# Altium PCB Nestling_2.1Allx2.PcbDoc (part 2 of 2)
Units mm, origin at the board's own origin, x right, y up, seen from the top; angles counter-clockwise.
Board outline 92 x 75 mm, 2 copper layers (Top Layer, Bottom Layer); 108 components, 122 nets, 852 pads, 224 vias.
Unrouted connection lines stored in the file: 122.
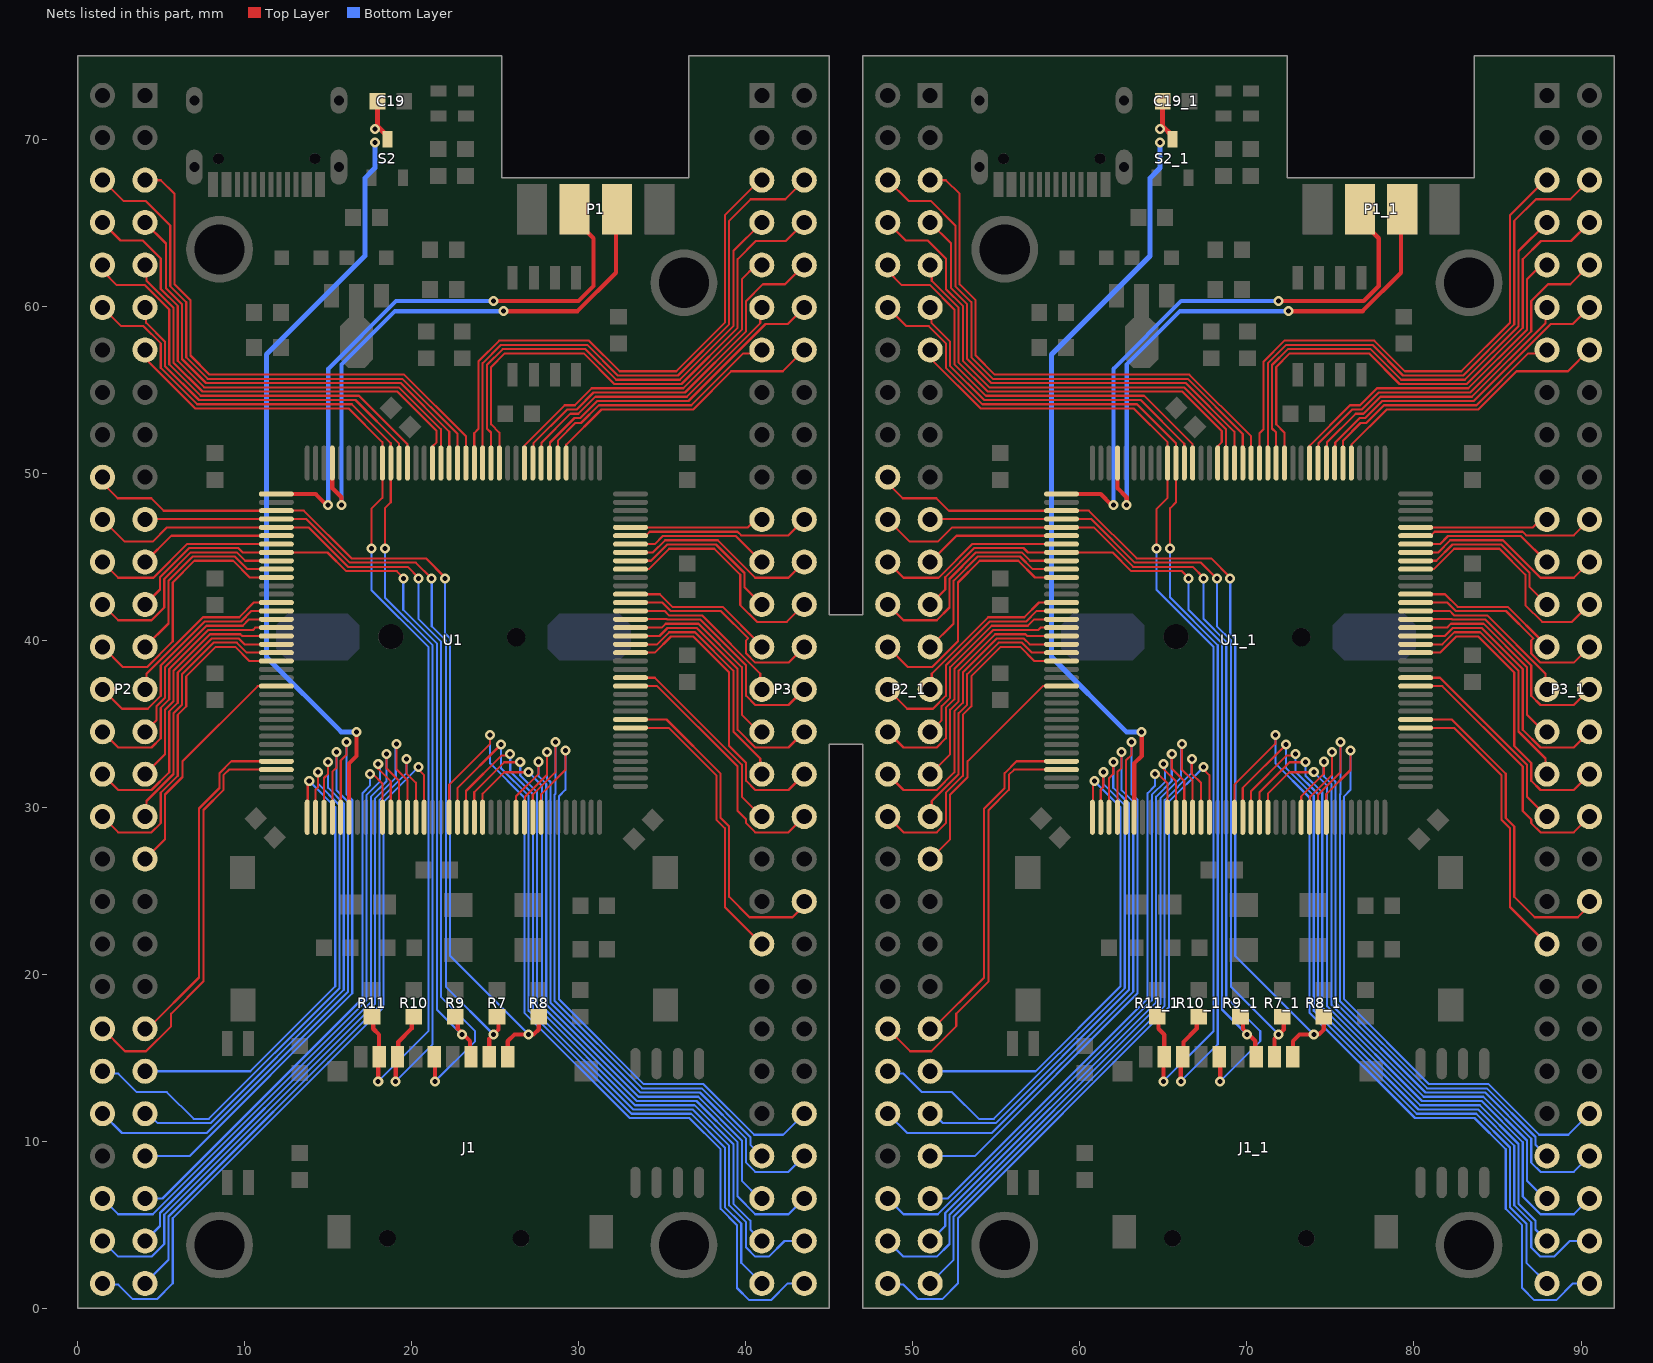
[diagram p2: the nets of this part, all layers, seen from the top]

## Via types
v1: diameter 0.6, hole 0.3, Top Layer to Bottom Layer, 224 vias

## Nets (pads, with @x,y where several pads share a name; then routed paths per layer and width w, separated by ;. In a path a pad name is that pad's centre, name@x,y a point inside that pad or via, vN(x,y) a via of type N, cw(c..) or ccw(c..) an arc to the next point about the centre after c; other vN are vias at no path point) (continued)
PC0: P3.53 P3_1.53 U1.26 U1_1.26 | length 75.5
  Top Layer w0.127: U1.26@26.25,29.405 26.25,30.656 27.6,32.006 v1(27.6,32.726) ; U1_1.26@73.25,29.405 73.25,30.656 74.6,32.006 v1(74.6,32.726)
  Bottom Layer w0.127: v1(27.6,32.726) 27.6,31.859 28.054,31.405 28.054,18.199 33.583,12.67 37.152,12.67 39.765,10.057 39.765,7.635 40.82,6.58 P3.53@40.96,6.58 ; v1(74.6,32.726) 74.6,31.859 75.054,31.405 75.054,18.199 80.583,12.67 84.152,12.67 86.766,10.057 86.766,7.635 87.82,6.58 P3_1.53@87.96,6.58
PC1: P3.52 P3_1.52 U1.27 U1_1.27 | length 80.3
  Top Layer w0.127: U1.27@26.75,29.405 26.783,29.438 26.783,30.64 28.1,31.957 v1(28.1,33.3) ; U1_1.27@73.75,29.405 73.783,29.438 73.783,30.64 75.1,31.957 v1(75.1,33.3)
  Bottom Layer w0.127: v1(28.1,33.3) 28.1,31.718 28.308,31.51 28.308,18.304 33.688,12.924 37.258,12.924 40.019,10.162 40.019,8.73 40.57,8.179 42.559,8.179 P3.52@43.5,9.12 ; v1(75.1,33.3) 75.1,31.718 75.308,31.51 75.308,18.304 80.688,12.924 84.258,12.924 87.02,10.162 87.02,8.73 87.57,8.179 89.56,8.179 P3_1.52@90.5,9.12
PC2: P3.51 P3_1.51 U1.28 U1_1.28 | length 74.2
  Top Layer w0.127: U1.28@27.25,29.405 27.25,30.748 28.6,32.098 v1(28.6,33.9) ; U1_1.28@74.25,29.405 74.25,30.748 75.6,32.098 v1(75.6,33.9)
  Bottom Layer w0.127: v1(28.6,33.9) 28.6,30.8 28.562,30.762 28.562,18.409 33.793,13.178 37.363,13.178 40.273,10.267 40.273,9.807 P3.51@40.96,9.12 ; v1(75.6,33.9) 75.6,30.8 75.562,30.762 75.562,18.409 80.793,13.178 84.363,13.178 87.274,10.267 87.274,9.807 P3_1.51@87.96,9.12
PC3: P3.50 P3_1.50 U1.29 U1_1.29 | length 76.4
  Top Layer w0.127: U1.29@27.75,29.405 27.75,30.779 29.2,32.229 v1(29.2,33.4) ; U1_1.29@74.75,29.405 74.75,30.779 76.2,32.229 v1(76.2,33.4)
  Bottom Layer w0.127: v1(29.2,33.4) 29.2,31.04 28.816,30.656 28.816,18.514 33.898,13.432 37.468,13.432 40.5,10.4 42.24,10.4 P3.50@43.5,11.66 ; v1(76.2,33.4) 76.2,31.04 75.816,30.656 75.816,18.514 80.898,13.432 84.468,13.432 87.5,10.4 89.24,10.4 P3_1.50@90.5,11.66
PC4: P3.41 P3_1.41 U1.44 U1_1.44 | length 35.1
  Top Layer w0.127: U1.44@33.1,34.755 35.399,34.755 38.241,31.912 38.241,29.255 38.749,28.747 38.749,24.031 P3.41@40.96,21.82 ; U1_1.44@80.1,34.755 82.399,34.755 85.242,31.912 85.242,29.255 85.75,28.747 85.75,24.031 P3_1.41@87.96,21.82
PC5: P3.40 P3_1.40 U1.45 U1_1.45 | length 39.7
  Top Layer w0.127: U1.45@33.1,35.255 35.258,35.255 38.495,32.017 38.495,29.36 39.003,28.852 39.003,24.642 40.225,23.419 42.8,23.419 43.5,24.119 P3.40@43.5,24.36 ; U1_1.45@80.1,35.255 82.258,35.255 85.496,32.017 85.496,29.36 86.004,28.852 86.004,24.642 87.226,23.419 89.8,23.419 90.5,24.119 P3_1.40@90.5,24.36
PC6: P2.10 P2_1.10 U1.96 U1_1.96 | length 51.9
  Top Layer w0.127: P2.10@1.5,62.46 1.5,62.1 2.347,61.253 4.037,61.253 5.489,59.802 5.489,56.515 7.372,54.632 16.848,54.632 19.75,51.73 U1.96@19.75,50.605 ; P2_1.10@48.5,62.46 48.5,62.1 49.347,61.253 51.037,61.253 52.489,59.802 52.489,56.515 54.372,54.632 63.848,54.632 66.75,51.73 U1_1.96@66.75,50.605
PC7: P2.11 P2_1.11 U1.97 U1_1.97 | length 42.5
  Top Layer w0.127: P2.11@4.04,59.92 4.176,59.92 4.176,59.684 4.109,59.617 4.109,59.001 5.235,57.875 5.235,56.41 7.267,54.378 16.642,54.378 19.25,51.77 U1.97@19.25,50.605 ; P2_1.11@51.04,59.92 51.176,59.92 51.176,59.684 51.109,59.617 51.109,59.001 52.235,57.875 52.235,56.41 54.267,54.378 63.642,54.378 66.25,51.77 U1_1.97@66.25,50.605
PC8: J1.7 J1_1.7 P2.12 P2_1.12 R10.2 R10_1.2 U1.98 U1_1.98 | length 132.4
  Top Layer w0.127: P2.12@1.5,59.92 2.62,58.8 3.95,58.8 4.981,57.77 4.981,56.305 7.162,54.124 16.422,54.124 18.75,51.796 U1.98@18.75,50.605 18.75,48.25 18.4,47.9 v1(18.4,45.5) ; J1.7@19.044,14.959 J1.7@19.15,15.065 ; P2_1.12@48.5,59.92 49.62,58.8 50.95,58.8 51.981,57.77 51.981,56.305 54.162,54.124 63.422,54.124 65.75,51.796 U1_1.98@65.75,50.605 65.75,48.25 65.4,47.9 v1(65.4,45.5) ; J1_1.7@66.044,14.959 J1_1.7@66.15,15.065
  Top Layer w0.254: v1(19.044,13.6) J1.7@19.044,14.959 ; J1.7@19.15,15.065 19.2,15.115 19.2,15.954 20,16.754 20,17.342 R10.2@20.121,17.463 ; v1(66.044,13.6) J1_1.7@66.044,14.959 ; J1_1.7@66.15,15.065 66.2,15.115 66.2,15.954 67,16.754 67,17.342 R10_1.2@67.121,17.463
  Bottom Layer w0.127: v1(18.4,45.5) 18.4,42.559 21.254,39.705 21.254,15.81 v1(19.044,13.6) ; v1(65.4,45.5) 65.4,42.559 68.254,39.705 68.254,15.81 v1(66.044,13.6)
PC9: J1.8 J1_1.8 P2.13 P2_1.13 R11.2 R11_1.2 U1.99 U1_1.99 | length 124.3
  Top Layer w0.127: P2.13@4.04,57.38 4.219,57.38 4.219,56.708 7.056,53.87 16.23,53.87 18.25,51.85 U1.99@18.25,50.605 18.25,48.524 17.592,47.866 v1(17.592,45.5) ; J1.8@18,15.015 J1.8@18.05,15.065 ; P2_1.13@51.04,57.38 51.219,57.38 51.219,56.708 54.056,53.87 63.23,53.87 65.25,51.85 U1_1.99@65.25,50.605 65.25,48.524 64.592,47.866 v1(64.592,45.5) ; J1_1.8@65,15.015 J1_1.8@65.05,15.065
  Top Layer w0.254: R11.2@17.626,17.463 17.7,17.389 17.7,16.74 18.05,16.39 J1.8@18.05,15.065 ; v1(18,13.6) J1.8@18,15.015 ; R11_1.2@64.626,17.463 64.7,17.389 64.7,16.74 65.05,16.39 J1_1.8@65.05,15.065 ; v1(65,13.6) J1_1.8@65,15.015
  Bottom Layer w0.127: v1(17.592,45.5) 17.592,43.008 21,39.6 21,16.6 v1(18,13.6) ; v1(64.592,45.5) 64.592,43.008 68,39.6 68,16.6 v1(65,13.6)
PC10: J1.1 J1_1.1 P2.20 P2_1.20 R8.2 R8_1.2 U1.111 U1_1.111 | length 113
  Top Layer w0.127: P2.20@1.5,49.76 1.5,49.4 2.4,48.5 4.412,48.5 5.158,47.754 11.76,47.754 11.768,47.746 11.891,47.746 U1.111@11.9,47.755 13.541,47.755 16.396,44.9 20.855,44.9 v1@22,43.755 ; J1.1@25.75,15.065 J1.1@25.8,15.015 ; P2_1.20@48.5,49.76 48.5,49.4 49.4,48.5 51.412,48.5 52.158,47.754 58.76,47.754 58.768,47.746 58.891,47.746 U1_1.111@58.9,47.755 60.541,47.755 63.396,44.9 67.855,44.9 v1@69,43.755 ; J1_1.1@72.75,15.065 J1_1.1@72.8,15.015
  Top Layer w0.254: J1.1@25.75,15.065 25.75,16 26.15,16.4 v1(27,16.4) 27.3,16.4 27.605,16.705 R8.2@27.605,17.463 ; J1_1.1@72.75,15.065 72.75,16 73.15,16.4 v1(74,16.4) 74.3,16.4 74.605,16.705 R8_1.2@74.605,17.463
  Bottom Layer w0.127: v1(22,43.7) 22,40.4 22.3,40.1 22.3,21.1 v1(27,16.4) ; v1(69,43.7) 69,40.4 69.3,40.1 69.3,21.1 v1(74,16.4)
PC11: J1.2 J1_1.2 P2.21 P2_1.21 R7.2 R7_1.2 U1.112 U1_1.112 | length 100.4
  Top Layer w0.127: P2.21@4.04,47.22 4.075,47.255 U1.112@11.9,47.255 13.682,47.255 16.291,44.646 20.254,44.646 v1(21.2,43.7) ; J1.2@24.6,15.015 J1.2@24.65,15.065 ; P2_1.21@51.04,47.22 51.075,47.255 U1_1.112@58.9,47.255 60.682,47.255 63.291,44.646 67.254,44.646 v1(68.2,43.7) ; J1_1.2@71.6,15.015 J1_1.2@71.65,15.065
  Top Layer w0.254: J1.2@24.65,15.065 24.65,16.15 25.2,16.7 25.2,17.373 R7.2@25.11,17.463 ; J1_1.2@71.65,15.065 71.65,16.15 72.2,16.7 72.2,17.373 R7_1.2@72.11,17.463
  Bottom Layer w0.127: v1(21.2,43.7) 21.2,40.841 22.046,39.995 22.046,19.254 v1(24.9,16.4) ; v1(68.2,43.7) 68.2,40.841 69.046,39.995 69.046,19.254 v1(71.9,16.4)
PC12: J1.5 J1_1.5 P2.22 P2_1.22 U1.113 U1_1.113 | length 110.1
  Top Layer w0.127: P2.22@1.5,47.22 2.82,45.9 4.5,45.9 5.355,46.755 U1.113@11.9,46.755 13.823,46.755 16.186,44.392 19.763,44.392 v1@20.4,43.755 ; P2_1.22@48.5,47.22 49.82,45.9 51.5,45.9 52.355,46.755 U1_1.113@58.9,46.755 60.823,46.755 63.186,44.392 66.763,44.392 v1@67.4,43.755
  Top Layer w0.254: J1.5@21.35,15.065 21.4,15.015 v1(21.4,13.6) ; J1_1.5@68.35,15.065 68.4,15.015 v1(68.4,13.6)
  Bottom Layer w0.127: v1(20.4,43.7) 20.4,41.278 21.762,39.916 21.762,18.638 23.8,16.6 23.8,16 v1(21.4,13.6) ; v1(67.4,43.7) 67.4,41.278 68.762,39.916 68.762,18.638 70.8,16.6 70.8,16 v1(68.4,13.6)
PD0: P2.23 P2_1.23 U1.114 U1_1.114 | length 17
  Top Layer w0.127: P2.23@4.04,44.68 5.615,46.255 U1.114@11.9,46.255 ; P2_1.23@51.04,44.68 52.615,46.255 U1_1.114@58.9,46.255
PD1: P2.24 P2_1.24 U1.115 U1_1.115 | length 23.3
  Top Layer w0.127: P2.24@1.5,44.68 2.441,43.739 4.544,43.739 6.576,45.771 11.884,45.771 U1.115@11.9,45.755 ; P2_1.24@48.5,44.68 49.441,43.739 51.544,43.739 53.576,45.771 58.884,45.771 U1_1.115@58.9,45.755
PD2: J1.3 J1_1.3 P2.25 P2_1.25 R9.2 R9_1.2 U1.116 U1_1.116 | length 99.3
  Top Layer w0.127: P2.25@4.04,42.14 4.938,43.038 4.938,43.774 6.681,45.517 9.629,45.517 9.891,45.255 U1.116@11.9,45.255 14.963,45.255 16.08,44.138 19.117,44.138 v1@19.5,43.755 ; J1.3@23.5,15.015 J1.3@23.55,15.065 ; P2_1.25@51.04,42.14 51.938,43.038 51.938,43.774 53.681,45.517 56.629,45.517 56.891,45.255 U1_1.116@58.9,45.255 61.963,45.255 63.08,44.138 66.117,44.138 v1@66.5,43.755 ; J1_1.3@70.5,15.015 J1_1.3@70.55,15.065
  Top Layer w0.254: R9.2@22.616,17.463 22.765,17.314 22.765,16.735 23.5,16 23.5,15.115 J1.3@23.55,15.065 ; R9_1.2@69.616,17.463 69.765,17.314 69.765,16.735 70.5,16 70.5,15.115 J1_1.3@70.55,15.065
  Bottom Layer w0.127: v1(19.5,43.7) 19.5,41.818 21.508,39.81 21.508,17.892 v1(23,16.4) ; v1(66.5,43.7) 66.5,41.818 68.508,39.81 68.508,17.892 v1(70,16.4)
PD3: P2.26 P2_1.26 U1.117 U1_1.117 | length 27.4
  Top Layer w0.127: P2.26@1.5,42.14 2.441,41.199 4.43,41.199 5.192,41.962 5.192,43.669 6.786,45.263 9.524,45.263 10.032,44.755 U1.117@11.9,44.755 ; P2_1.26@48.5,42.14 49.441,41.199 51.43,41.199 52.192,41.962 52.192,43.669 53.786,45.263 56.524,45.263 57.032,44.755 U1_1.117@58.9,44.755
PD4: P2.27 P2_1.27 U1.118 U1_1.118 | length 23.8
  Top Layer w0.127: P2.27@4.04,39.6 5.446,41.006 5.446,43.564 6.891,45.009 9.419,45.009 10.173,44.255 U1.118@11.9,44.255 ; P2_1.27@51.04,39.6 52.446,41.006 52.446,43.564 53.891,45.009 56.419,45.009 57.173,44.255 U1_1.118@58.9,44.255
PD5: P2.28 P2_1.28 U1.119 U1_1.119 | length 32
  Top Layer w0.127: P2.28@1.5,39.6 2.7,38.4 4.17,38.4 5.7,39.93 5.7,43.458 6.997,44.755 9.314,44.755 10.314,43.755 U1.119@11.9,43.755 ; P2_1.28@48.5,39.6 49.7,38.4 51.17,38.4 52.7,39.93 52.7,43.458 53.997,44.755 56.314,44.755 57.314,43.755 U1_1.119@58.9,43.755
PD6: P2.29 P2_1.29 U1.122 U1_1.122 | length 21
  Top Layer w0.127: P2.29@4.04,37.06 4.13,37.15 4.13,38.001 7.507,41.378 9.678,41.378 10.555,42.255 U1.122@11.9,42.255 ; P2_1.29@51.04,37.06 51.13,37.15 51.13,38.001 54.507,41.378 56.678,41.378 57.555,42.255 U1_1.122@58.9,42.255
PD7: P2.30 P2_1.30 U1.123 U1_1.123 | length 28.7
  Top Layer w0.127: P2.30@1.5,37.06 2.66,35.9 4.21,35.9 4.981,36.67 4.981,38.492 7.612,41.124 9.783,41.124 10.414,41.755 U1.123@11.9,41.755 ; P2_1.30@48.5,37.06 49.66,35.9 51.21,35.9 51.981,36.67 51.981,38.492 54.612,41.124 56.783,41.124 57.414,41.755 U1_1.123@58.9,41.755
PD8: P3.14 P3_1.14 U1.77 U1_1.77 | length 35.4
  Top Layer w0.127: U1.77@29.25,50.605 29.25,51.704 31.36,53.814 36.847,53.814 39.133,56.1 42.22,56.1 P3.14@43.5,57.38 ; U1_1.77@76.25,50.605 76.25,51.704 78.36,53.814 83.847,53.814 86.133,56.1 89.22,56.1 P3_1.14@90.5,57.38
PD9: P3.13 P3_1.13 U1.78 U1_1.78 | length 31.6
  Top Layer w0.127: U1.78@28.75,50.605 28.75,51.948 29.802,53 30.137,53 31.205,54.068 36.742,54.068 39.844,57.17 40.75,57.17 P3.13@40.96,57.38 ; U1_1.78@75.75,50.605 75.75,51.948 76.802,53 77.137,53 78.205,54.068 83.742,54.068 86.844,57.17 87.75,57.17 P3_1.13@87.96,57.38
PD10: P3.12 P3_1.12 U1.79 U1_1.79 | length 39.6
  Top Layer w0.127: U1.79@28.25,50.605 28.283,50.638 28.283,51.84 29.749,53.306 30.084,53.306 31.1,54.322 36.572,54.322 41.179,58.929 42.509,58.929 P3.12@43.5,59.92 ; U1_1.79@75.25,50.605 75.283,50.638 75.283,51.84 76.749,53.306 77.084,53.306 78.1,54.322 83.572,54.322 88.179,58.929 89.509,58.929 P3_1.12@90.5,59.92
PD11: P3.11 P3_1.11 U1.80 U1_1.80 | length 36.5
  Top Layer w0.127: U1.80@27.75,50.605 27.783,50.638 27.783,51.84 29.503,53.56 29.978,53.56 30.994,54.576 36.467,54.576 40.87,58.979 40.87,59.83 P3.11@40.96,59.92 ; U1_1.80@74.75,50.605 74.783,50.638 74.783,51.84 76.503,53.56 76.978,53.56 77.994,54.576 83.467,54.576 87.87,58.979 87.87,59.83 P3_1.11@87.96,59.92
PD12: P3.10 P3_1.10 U1.81 U1_1.81 | length 45.8
  Top Layer w0.127: U1.81@27.25,50.605 27.283,50.638 27.283,51.783 29.314,53.814 29.873,53.814 30.889,54.83 36.362,54.83 40.019,58.488 40.019,60.31 41.021,61.311 42.351,61.311 P3.10@43.5,62.46 ; U1_1.81@74.25,50.605 74.283,50.638 74.283,51.783 76.314,53.814 76.873,53.814 77.889,54.83 83.362,54.83 87.02,58.488 87.02,60.31 88.021,61.311 89.351,61.311 P3_1.10@90.5,62.46
PD13: P3.9 P3_1.9 U1.82 U1_1.82 | length 43
  Top Layer w0.127: U1.82@26.75,50.605 26.75,51.65 29.168,54.068 29.768,54.068 30.784,55.084 36.256,55.084 39.765,58.593 39.765,61.611 40.614,62.46 P3.9@40.96,62.46 ; U1_1.82@73.75,50.605 73.75,51.65 76.168,54.068 76.768,54.068 77.784,55.084 83.256,55.084 86.766,58.593 86.766,61.611 87.614,62.46 P3_1.9@87.96,62.46
PD14: P3.8 P3_1.8 U1.85 U1_1.85 | length 64.4
  Top Layer w0.127: U1.85@25.25,50.605 25.25,52.428 24.758,52.92 24.758,56.358 25.57,57.17 30.303,57.17 32.135,55.338 36.151,55.338 39.511,58.698 39.511,62.811 40.6,63.9 42.4,63.9 P3.8@43.5,65 ; U1_1.85@72.25,50.605 72.25,52.428 71.758,52.92 71.758,56.358 72.57,57.17 77.303,57.17 79.135,55.338 83.151,55.338 86.512,58.698 86.512,62.811 87.6,63.9 89.4,63.9 P3_1.8@90.5,65
PD15: P3.7 P3_1.7 U1.86 U1_1.86 | length 60.2
  Top Layer w0.127: U1.86@24.75,50.605 24.75,52.432 24.504,52.678 24.504,56.478 25.45,57.424 30.408,57.424 32.24,55.592 36.046,55.592 39.257,58.804 39.257,63.297 P3.7@40.96,65 ; U1_1.86@71.75,50.605 71.75,52.432 71.504,52.678 71.504,56.478 72.45,57.424 77.408,57.424 79.24,55.592 83.046,55.592 86.258,58.804 86.258,63.297 P3_1.7@87.96,65
PE0: P2.45 P2_1.45 U1.141 U1_1.141 | length 41.9
  Top Layer w0.127: P2.45@4.04,16.74 4.199,16.74 7.267,19.807 7.267,29.925 8.494,31.152 8.494,32.043 9.206,32.755 U1.141@11.9,32.755 ; P2_1.45@51.04,16.74 51.199,16.74 54.267,19.807 54.267,29.925 55.494,31.152 55.494,32.043 56.206,32.755 U1_1.141@58.9,32.755
PE1: P2.46 P2_1.46 U1.142 U1_1.142 | length 49.8
  Top Layer w0.127: P2.46@1.5,16.74 2.84,15.4 4.1,15.4 5.6,16.9 5.6,17.649 7.54,19.589 7.54,29.839 8.748,31.047 8.748,31.938 9.065,32.255 U1.142@11.9,32.255 ; P2_1.46@48.5,16.74 49.84,15.4 51.1,15.4 52.6,16.9 52.6,17.649 54.54,19.589 54.54,29.839 55.748,31.047 55.748,31.938 56.065,32.255 U1_1.142@58.9,32.255
PE2: P2.47 P2_1.47 U1.1 U1_1.1 | length 57.3
  Top Layer w0.127: U1.1@13.75,29.405 13.783,29.438 13.783,31.485 v1(13.87,31.572) ; U1_1.1@60.75,29.405 60.783,29.438 60.783,31.485 v1(60.87,31.572)
  Bottom Layer w0.127: P2.47@4.04,14.2 10.349,14.2 15.43,19.281 15.43,30.012 v1(13.87,31.572) ; P2_1.47@51.04,14.2 57.349,14.2 62.43,19.281 62.43,30.012 v1(60.87,31.572)
PE3: P2.48 P2_1.48 U1.2 U1_1.2 | length 69.6
  Top Layer w0.127: U1.2@14.25,29.405 14.25,31.061 14.4,31.211 v1(14.4,32.098) ; U1_1.2@61.25,29.405 61.25,31.061 61.4,31.211 v1(61.4,32.098)
  Bottom Layer w0.127: P2.48@1.5,14.2 1.64,14.059 2.441,14.059 3.547,12.953 5.347,12.953 6.954,11.346 7.854,11.346 15.684,19.176 15.684,30.118 14.4,31.402 v1(14.4,32.098) ; P2_1.48@48.5,14.2 48.641,14.059 49.441,14.059 50.547,12.953 52.347,12.953 53.954,11.346 54.854,11.346 62.684,19.176 62.684,30.118 61.4,31.402 v1(61.4,32.098)
PE4: P2.49 P2_1.49 U1.3 U1_1.3 | length 65.7
  Top Layer w0.127: U1.3@14.75,29.405 14.75,31.755 15,32.005 v1(15,32.7) ; U1_1.3@61.75,29.405 61.75,31.755 62,32.005 v1(62,32.7)
  Bottom Layer w0.127: P2.49@4.04,11.66 4.234,11.66 4.802,11.092 7.959,11.092 15.938,19.071 15.938,30.223 15,31.161 v1(15,32.7) ; P2_1.49@51.04,11.66 51.234,11.66 51.802,11.092 54.959,11.092 62.938,19.071 62.938,30.223 62,31.161 v1(62,32.7)
PE5: P2.50 P2_1.50 U1.4 U1_1.4 | length 74.6
  Top Layer w0.127: U1.4@15.25,29.405 15.254,29.409 15.254,32.123 15.5,32.369 v1(15.5,33.3) ; U1_1.4@62.25,29.405 62.254,29.409 62.254,32.123 62.5,32.369 v1(62.5,33.3)
  Bottom Layer w0.127: P2.50@1.5,11.66 2.66,10.5 7.726,10.5 16.192,18.966 16.192,30.328 15.5,31.02 v1(15.5,33.3) ; P2_1.50@48.5,11.66 49.66,10.5 54.726,10.5 63.192,18.966 63.192,30.328 62.5,31.02 v1(62.5,33.3)
PE6: P2.51 P2_1.51 U1.5 U1_1.5 | length 72.5
  Top Layer w0.127: U1.5@15.75,29.405 15.754,29.409 15.754,32.804 16.1,33.15 v1(16.1,33.9) ; U1_1.5@62.75,29.405 62.754,29.409 62.754,32.804 63.1,33.15 v1(63.1,33.9)
  Bottom Layer w0.127: P2.51@4.04,9.12 6.706,9.12 16.446,18.86 16.446,30.433 16.1,30.779 v1(16.1,33.9) ; P2_1.51@51.04,9.12 53.706,9.12 63.446,18.86 63.446,30.433 63.1,30.779 v1(63.1,33.9)
PE7: P3.29 P3_1.29 U1.58 U1_1.58 | length 20.6
  Top Layer w0.127: U1.58@33.1,41.755 35.136,41.755 35.399,41.492 37.379,41.492 40.87,38.001 40.87,37.15 P3.29@40.96,37.06 ; U1_1.58@80.1,41.755 82.136,41.755 82.399,41.492 84.379,41.492 87.87,38.001 87.87,37.15 P3_1.29@87.96,37.06
PE8: P3.28 P3_1.28 U1.59 U1_1.59 | length 26
  Top Layer w0.127: U1.59@33.1,42.255 34.995,42.255 35.504,41.746 38.509,41.746 40.143,40.113 40.019,39.99 40.019,39.21 40.57,38.659 42.559,38.659 P3.28@43.5,39.6 ; U1_1.59@80.1,42.255 81.995,42.255 82.504,41.746 85.509,41.746 87.143,40.113 87.02,39.99 87.02,39.21 87.57,38.659 89.56,38.659 P3_1.28@90.5,39.6
PE9: P3.27 P3_1.27 U1.60 U1_1.60 | length 18.6
  Top Layer w0.127: U1.60@33.1,42.755 34.854,42.755 35.609,42 38.614,42 40.781,39.833 40.781,39.6 P3.27@40.96,39.6 ; U1_1.60@80.1,42.755 81.854,42.755 82.609,42 85.614,42 87.782,39.833 87.782,39.6 P3_1.27@87.96,39.6
PE10: P3.26 P3_1.26 U1.63 U1_1.63 | length 28.4
  Top Layer w0.127: U1.63@33.1,44.255 34.189,44.255 35.411,45.477 38.115,45.477 39.67,43.922 39.67,42.1 40.67,41.1 42.46,41.1 P3.26@43.5,42.14 ; U1_1.63@80.1,44.255 81.189,44.255 82.411,45.477 85.115,45.477 86.67,43.922 86.67,42.1 87.67,41.1 89.46,41.1 P3_1.26@90.5,42.14
PE11: P3.25 P3_1.25 U1.64 U1_1.64 | length 20.5
  Top Layer w0.127: U1.64@33.1,44.755 34.33,44.755 35.306,45.731 38.22,45.731 39.924,44.027 39.924,43.176 P3.25@40.96,42.14 ; U1_1.64@80.1,44.755 81.33,44.755 82.306,45.731 85.22,45.731 86.924,44.027 86.924,43.176 P3_1.25@87.96,42.14
PE12: P3.24 P3_1.24 U1.65 U1_1.65 | length 24
  Top Layer w0.127: U1.65@33.1,45.255 34.442,45.255 35.172,45.985 38.325,45.985 40.57,43.739 42.559,43.739 P3.24@43.5,44.68 ; U1_1.65@80.1,45.255 81.442,45.255 82.172,45.985 85.325,45.985 87.57,43.739 89.56,43.739 P3_1.24@90.5,44.68
PE13: P3.23 P3_1.23 U1.66 U1_1.66 | length 17.4
  Top Layer w0.127: U1.66@33.1,45.755 34.555,45.755 35.039,46.239 39.401,46.239 P3.23@40.96,44.68 ; U1_1.66@80.1,45.755 81.555,45.755 82.039,46.239 86.401,46.239 P3_1.23@87.96,44.68
PE14: P3.22 P3_1.22 U1.67 U1_1.67 | length 22
  Top Layer w0.127: U1.67@33.1,46.255 34.006,46.255 34.244,46.493 39.506,46.493 39.72,46.279 42.559,46.279 P3.22@43.5,47.22 ; U1_1.67@80.1,46.255 81.006,46.255 81.244,46.493 86.506,46.493 86.72,46.279 89.56,46.279 P3_1.22@90.5,47.22
PE15: P3.21 P3_1.21 U1.68 U1_1.68 | length 16.1
  Top Layer w0.127: U1.68@33.1,46.755 33.108,46.747 40.115,46.747 40.588,47.22 P3.21@40.96,47.22 ; U1_1.68@80.1,46.755 80.108,46.747 87.115,46.747 87.588,47.22 P3_1.21@87.96,47.22
PF0: P2.53 P2_1.53 U1.10 U1_1.10 | length 69.2
  Top Layer w0.127: v1(17.5,31.98) 17.692,31.98 18.25,31.422 U1.10@18.25,29.405 ; v1(64.5,31.98) 64.692,31.98 65.25,31.422 U1_1.10@65.25,29.405
  Bottom Layer w0.127: P2.53@4.04,6.58 5.084,6.58 17.054,18.55 17.054,30.85 17.5,31.296 v1(17.5,31.98) ; P2_1.53@51.04,6.58 52.084,6.58 64.054,18.55 64.054,30.85 64.5,31.296 v1(64.5,31.98)
PF1: P2.54 P2_1.54 U1.11 U1_1.11 | length 79.5